# KiCad board OpenRectangle.kicad_pcb
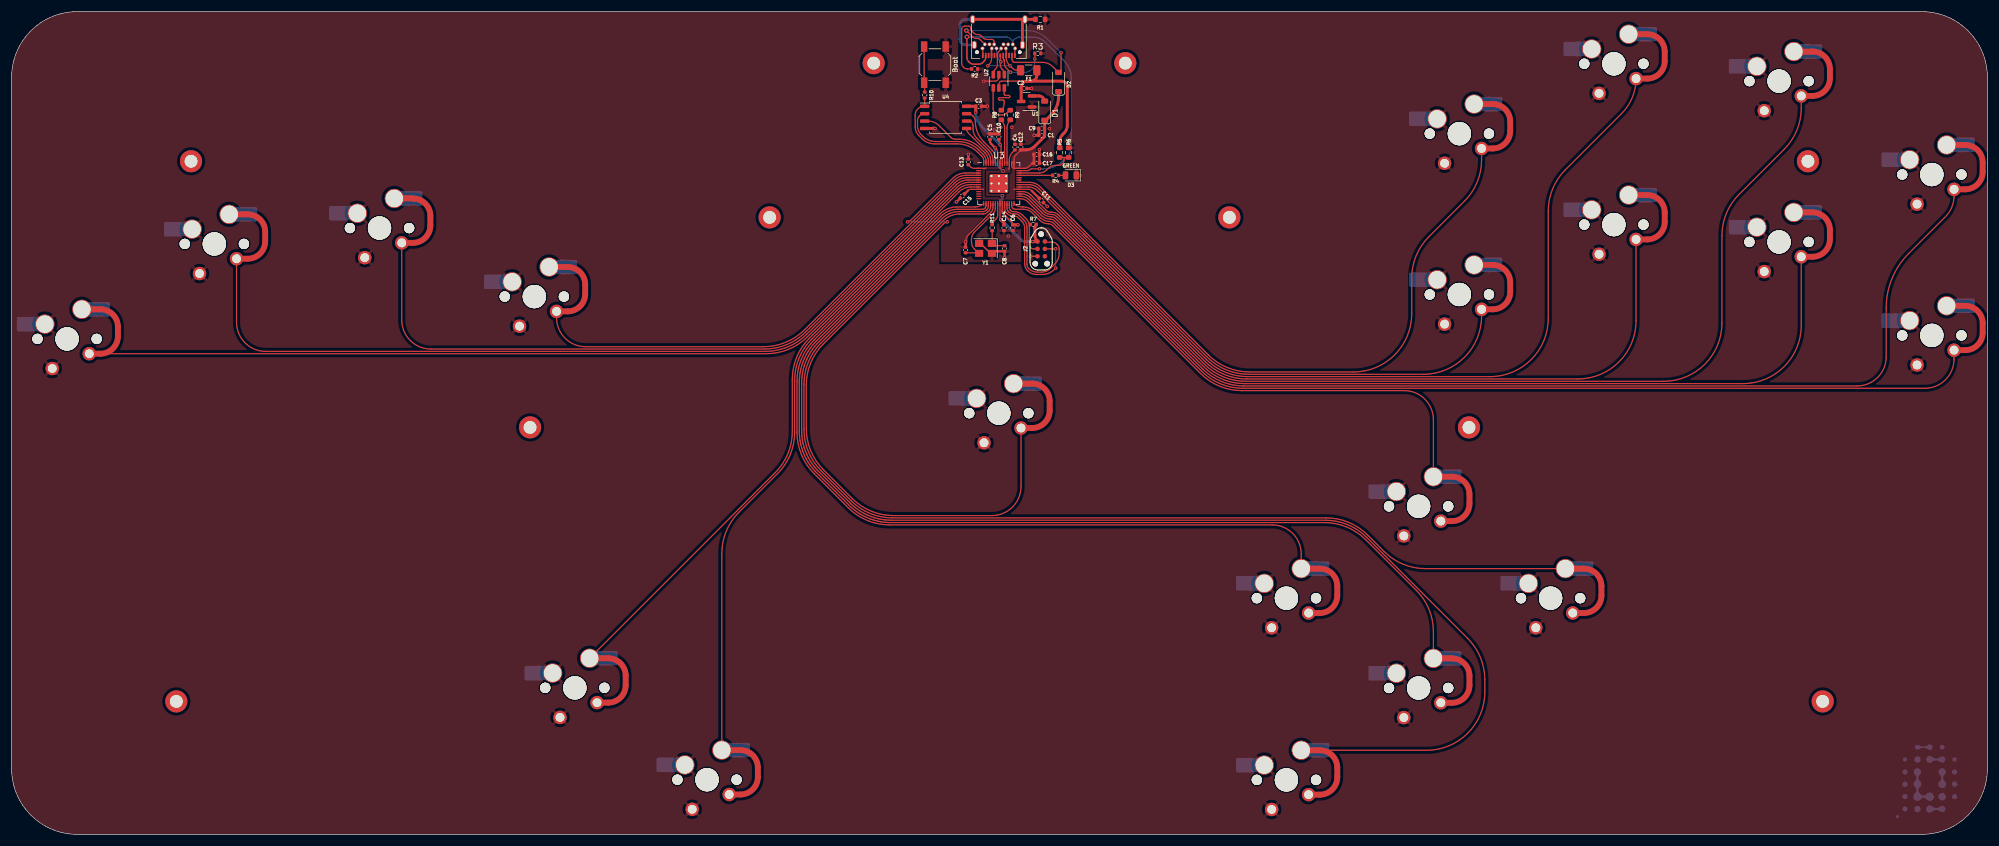
[diagram p0: board, top side]
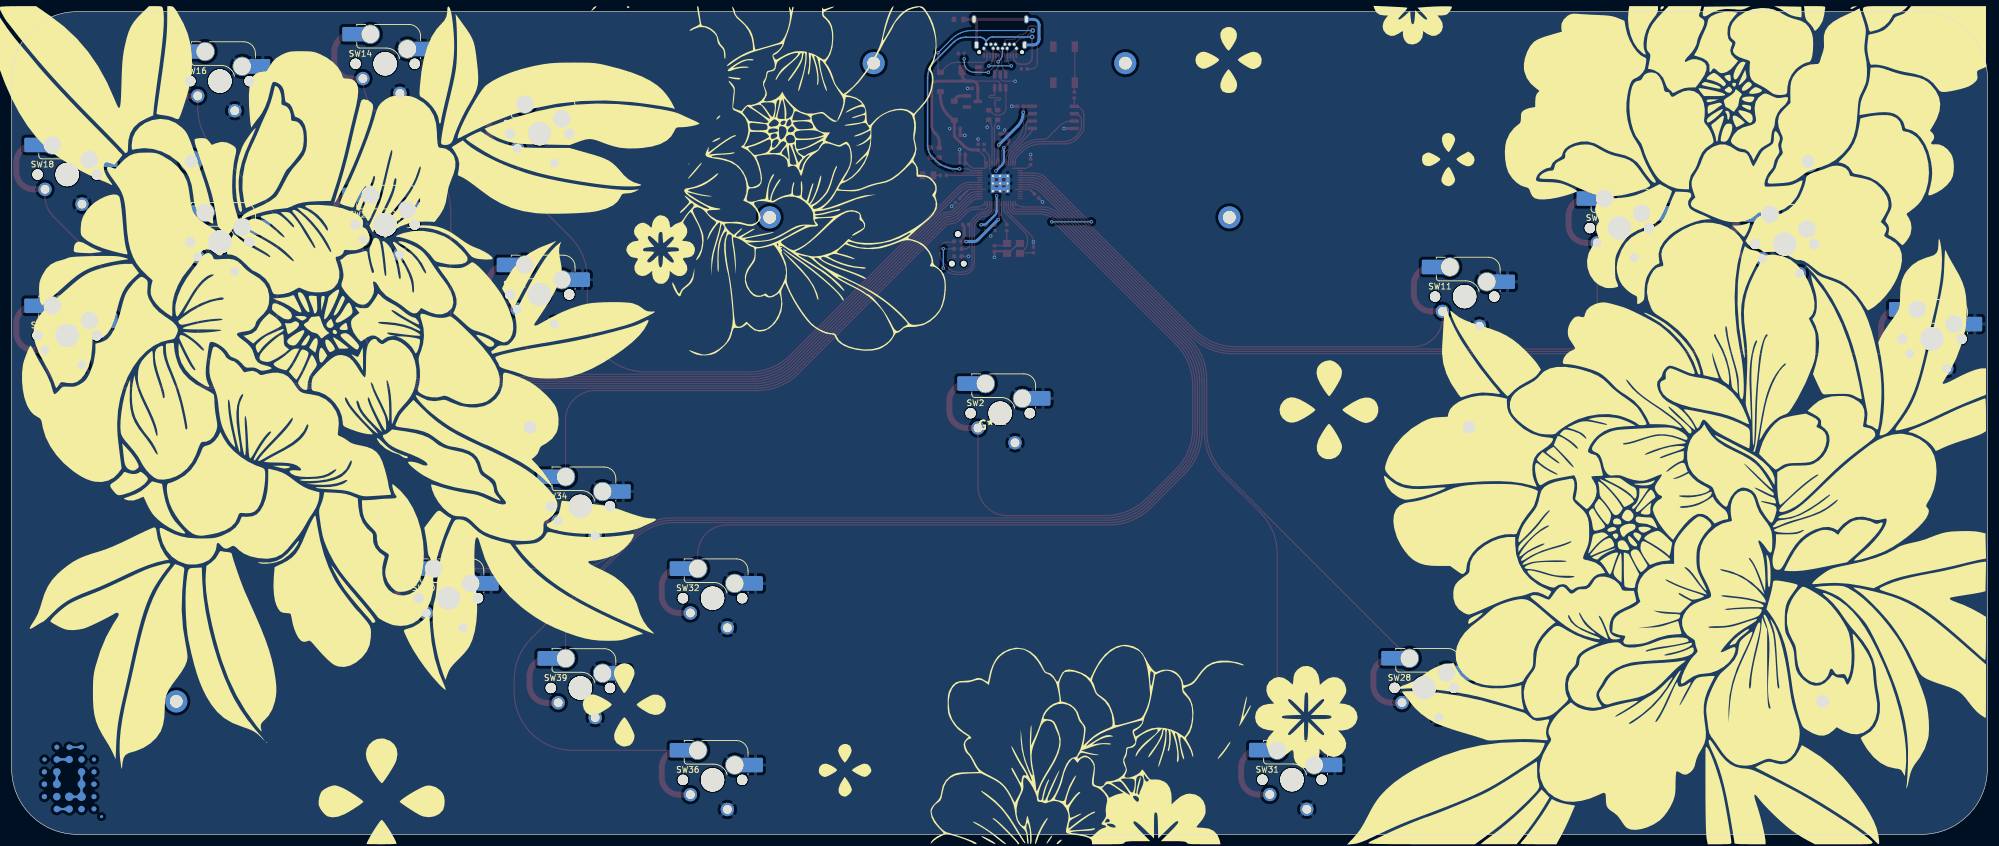
[diagram p1: board, bottom side, seen from below]

Outline 339.13 x 141.22 mm; copper layers: Top, Bottom. Coordinates in mm from the lower left corner of the outline.
Outline path: 0,129.97 0,11.25 arc(3.3,3.3) 11.25,0 327.88,0 arc(335.83,3.3) 339.13,11.25 339.13,129.97 arc(335.83,137.92) 327.88,141.22 11.25,141.22 arc(3.3,137.92) 0,129.97
Stack: Top 0.035mm / dielectric 1.51mm FR4 er 4.5 / Bottom 0.035mm

## Placement (name value [footprint] x y rotation side)
C1  1uF  [C_0402_1005Metric]  176.79 120 0 top
C2  1uF  [C_0402_1005Metric]  173.77 128.04 180 top
C3  100nF  [C_0402_1005Metric]  165.97 124.98 0 top
C4  1uF  [C_0402_1005Metric]  172.22 117.96 90 top
C5  100nF  [C_0402_1005Metric]  167.93 119.76 90 top
C6  100nF  [C_0402_1005Metric]  171.86 104.14 270 top
C7  22pF  [C_0402_1005Metric]  163.74 100.31 270 top
C8  22pF  [C_0402_1005Metric]  170.44 100.56 90 top
C9  10uF  [C_0402_1005Metric]  176.79 121.2 180 top
C10  1uF  [C_0402_1005Metric]  169.45 119.76 90 top
C11  100nF  [C_0402_1005Metric]  176.76 108.8 315 top
C12  100nF  [C_0402_1005Metric]  173.23 117.96 90 top
C13  100nF  [C_0402_1005Metric]  164.21 115.42 90 top
C14  100nF  [C_0402_1005Metric]  170.34 104.14 270 top
C15  100nF  [C_0402_1005Metric]  163.2 109.58 225 top
C16  100nF  [C_0402_1005Metric]  175.93 116.71 0 top
C17  100nF  [C_0402_1005Metric]  175.93 115.19 0 top
D1  Schottky Diode  [CUSTOM D_SOD-123]  177.32 124.21 90 top
D2  Schottky Diode  [CUSTOM D_SOD-123]  179.7 129.14 90 top
D3  GREEN  [LED_0805_2012Metric]  181.83 113.12 180 top
F1  500 mA  [Fuse_1206_3216Metric]  174.58 131.16 0 top
G***  -  [LOGO]  170.75 70.23 180 bottom
H1  Logo  [qw new logo mask md]  328.71 9.11 180 bottom
H2  MountingHole  [MountingHole_2.2mm_M2_ISO14580_Pad]  209.02 105.91 0 top
H3  MountingHole  [MountingHole_2.2mm_M2_ISO14580_Pad]  130.11 105.91 0 top
H4  MountingHole  [MountingHole_2.2mm_M2_ISO14580_Pad]  30.79 115.54 0 top
H5  MountingHole  [MountingHole_2.2mm_M2_ISO14580_Pad]  308.33 115.54 0 top
H6  MountingHole  [MountingHole_2.2mm_M2_ISO14580_Pad]  147.97 132.38 0 top
H7  MountingHole  [MountingHole_2.2mm_M2_ISO14580_Pad]  250.14 69.86 0 top
H8  MountingHole  [MountingHole_2.2mm_M2_ISO14580_Pad]  310.87 22.82 0 top
H9  MountingHole  [MountingHole_2.2mm_M2_ISO14580_Pad]  191.16 132.38 0 top
H10  MountingHole  [MountingHole_2.2mm_M2_ISO14580_Pad]  88.98 69.86 0 top
H11  MountingHole  [MountingHole_2.2mm_M2_ISO14580_Pad]  28.27 22.82 0 top
J1  USB C Connector  [TYPE-C_24P_QCHT]  169.45 138.62 180 top
J2  JTAG_TC2030  [CON_TC2030_outlined]  176.72 100.5 270 top
R1  1M  [R_0603_1608Metric]  176.56 139.9 180 top
R2  5.1k  [R_0402_1005Metric]  165.3 131.39 180 top
R3  5.1k  [R_0402_1005Metric]  176.13 134.05 0 top
R4  470  [R_0402_1005Metric]  179.2 113.11 0 top
R5  5.6k  [R_0603_1608Metric]  179.9 117.02 270 top
R6  10k  [R_0603_1608Metric]  181.44 117.02 90 top
R7  10k  [R_0402_1005Metric]  175.37 104.69 180 top
R8  27  [R_0603_1608Metric]  169.88 123.48 270 top
R9  27  [R_0603_1608Metric]  171.41 123.48 270 top
R10  1k  [R_0402_1005Metric]  156.72 126.9 270 top
R11  1k  [R_0402_1005Metric]  168.31 104.14 90 top
SW1  Boot  [SW_SPST_SKQG_WithStem]  158.48 132.12 270 top
SW2  MX_SW_HS  [SW_MX_HS_1u]  169.45 72.29 180 bottom
SW3  MX_SW_solder  [SW_MX_1u]  169.45 72.29 180 top
SW4  MX_SW_solder  [SW_MX_1u]  9.51 85.04 180 top
SW5  MX_SW_HS  [SW_MX_HS_1u]  9.51 85.04 180 bottom
SW6  MX_SW_HS  [SW_MX_HS_1u]  34.79 101.35 180 bottom
SW7  MX_SW_solder  [SW_MX_1u]  34.79 101.35 180 top
SW8  MX_SW_solder  [SW_MX_1u]  63.15 104.07 180 top
SW9  MX_SW_HS  [SW_MX_HS_1u]  63.15 104.07 180 bottom
SW10  MX_SW_solder  [SW_MX_1u]  89.72 92.31 180 top
SW11  MX_SW_HS  [SW_MX_HS_1u]  89.72 92.31 180 bottom
SW12  MX_SW_solder  [SW_MX_1u]  248.5 120.28 180 top
SW13  MX_SW_HS  [SW_MX_HS_1u]  248.5 120.28 180 bottom
SW14  MX_SW_HS  [SW_MX_HS_1u]  275.02 132.27 180 bottom
SW15  MX_SW_solder  [SW_MX_1u]  275.02 132.27 180 top
SW16  MX_SW_HS  [SW_MX_HS_1u]  303.38 129.3 180 bottom
SW17  MX_SW_solder  [SW_MX_1u]  303.38 129.3 180 top
SW18  MX_SW_HS  [SW_MX_HS_1u]  329.6 113.26 180 bottom
SW19  MX_SW_solder  [SW_MX_1u]  329.6 113.26 180 top
SW20  MX_SW_solder  [SW_MX_1u]  248.5 92.67 180 top
SW21  MX_SW_HS  [SW_MX_HS_1u]  248.5 92.67 180 bottom
SW22  MX_SW_HS  [SW_MX_HS_1u]  275.02 104.66 180 bottom
SW23  MX_SW_solder  [SW_MX_1u]  275.02 104.66 180 top
SW24  MX_SW_HS  [SW_MX_HS_1u]  303.38 101.69 180 bottom
SW25  MX_SW_solder  [SW_MX_1u]  303.38 101.69 180 top
SW26  MX_SW_HS  [SW_MX_HS_1u]  329.6 85.65 180 bottom
SW27  MX_SW_solder  [SW_MX_1u]  329.6 85.65 180 top
SW28  MX_SW_HS  [SW_MX_HS_1u]  96.67 25.15 180 bottom
SW29  MX_SW_solder  [SW_MX_1u]  96.67 25.15 180 top
SW30  MX_SW_solder  [SW_MX_1u]  119.36 9.38 180 top
SW31  MX_SW_HS  [SW_MX_HS_1u]  119.36 9.38 180 bottom
SW32  MX_SW_HS  [SW_MX_HS_1u]  218.82 40.54 180 bottom
SW33  MX_SW_solder  [SW_MX_1u]  218.82 40.54 180 top
SW34  MX_SW_HS  [SW_MX_HS_1u]  241.51 56.31 180 bottom
SW35  MX_SW_solder  [SW_MX_1u]  241.51 56.31 180 top
SW36  MX_SW_HS  [SW_MX_HS_1u]  218.82 9.35 180 bottom
SW37  MX_SW_solder  [SW_MX_1u]  218.82 9.35 180 top
SW38  MX_SW_solder  [SW_MX_1u]  241.51 25.12 180 top
SW39  MX_SW_HS  [SW_MX_HS_1u]  241.51 25.12 180 bottom
SW40  MX_SW_HS  [SW_MX_HS_1u]  264.16 40.54 180 bottom
SW41  MX_SW_solder  [SW_MX_1u]  264.16 40.54 180 top
U1  XC6206  [SOT-23]  174.22 125.8 180 top
U2  USBLC6-2SC6  [SOT-23-6]  169.45 129.27 270 top
U3  RP2040  [RP2040-QFN-56]  169.45 111.72 0 top
U4  W25Q128JVS  [SOIC-8_5.23x5.23mm_P1.27mm]  160.32 123.07 0 top
Y1  12MHz  [Crystal_SMD_3225-4Pin_3.2x2.5mm]  167.16 100.58 180 top

## Library data of the parts
C1 C2 C4 C10 = -: Description: Unpolarized capacitor, small symbol; LCSC: C52923
C3 C5 C6 C11-C17 = -: Description: Unpolarized capacitor, small symbol; LCSC: C1525
C7 C8 = -: Description: Unpolarized capacitor, small symbol; LCSC: C1555
C9 = -: Description: Unpolarized capacitor, small symbol; LCSC: C15525
D1 D2 = -: Description: Diode, small symbol; LCSC: C130880
D3 = -: Description: Light emitting diode, small symbol
F1 = -: Description: Fuse, small symbol
H1-H11 = -: Description: Mounting Hole without connection
J1 = -: Description: USB Full-Featured Type-C Receptacle connector; LCSC: C456013
J2 = -: Description: 6-pin TC2030 connector for JTAG programming
R1 R8 R9 = -: Description: Resistor, small symbol; LCSC: C25190
R2 R3 R7 = -: Description: Resistor, small symbol; LCSC: C25744
R4-R6 = -: Description: Resistor, small symbol
R10 R11 = -: Description: Resistor, small symbol; LCSC: C11702
SW1 = -: Description: Push button switch, generic, two pins; LCSC: C5156480
SW2-SW41 = -: Description: Push button switch, normally open, two pins, 45° tilted
U1 = -: Description: Positive 60-250mA Low Dropout Regulator, Fixed Output, SOT-23; LCSC: C5446
U2 = -: Description: Very low capacitance ESD protection diode, 2 data-line, SOT-23-6
U3 = -: LCSC: C2040
U4 = -: Description: 128Mb Serial Flash Memory, Standard/Dual/Quad SPI, SOIC-8; LCSC: C97521
Y1 = -: Description: Four pin crystal, GND on pins 2 and 4, small symbol; LCSC: C9002

## Footprints (pads in the part's own frame, mm; a bottom-side part is the same pattern mirrored in y, then rotated)
C_0402_1005Metric
  rrect 0.56x0.62 smd: 1(-0.48,0) 2(0.48,0)
CON_TC2030_outlined
  round 0.991 hole 0.991 unplated: (-2.54,0) (2.54,1.016) (2.54,-1.016)
  round 0.787 smd: 1(-1.27,-0.635) 2(-1.27,0.635) 3(0,-0.635) 4(0,0.635) 5(1.27,-0.635) 6(1.27,0.635)
Crystal_SMD_3225-4Pin_3.2x2.5mm
  rect 1.4x1.2 smd: 1(-1.1,-0.85) 2(1.1,-0.85) 3(1.1,0.85) 4(-1.1,0.85)
CUSTOM D_SOD-123
  rrect 0.9x1.2 smd: 1(-1.65,0) 2(1.65,0)
Fuse_1206_3216Metric
  rrect 1.25x1.75 smd: 1(-1.4,0) 2(1.4,0)
LED_0805_2012Metric
  rrect 0.975x1.4 smd: 1(-0.938,0) 2(0.938,0)
MountingHole_2.2mm_M2_ISO14580_Pad
  round 3.8 hole 2.2: 1(0,0)
R_0402_1005Metric
  rrect 0.54x0.64 smd: 1(-0.51,0) 2(0.51,0)
R_0603_1608Metric
  rrect 0.8x0.95 smd: 1(-0.825,0) 2(0.825,0)
RP2040-QFN-56
  rrect 1.084x1.084 smd: (-0.637,0.637) (-0.637,-0.637) (0.637,0.637) (0.637,-0.637)
  rrect 0.875x0.2 smd: 1(-3.438,2.6) 2(-3.438,2.2) 3(-3.438,1.8) 4(-3.438,1.4) 5(-3.438,1) 6(-3.438,0.6) 7(-3.438,0.2) 8(-3.438,-0.2) 9(-3.438,-0.6) 10(-3.438,-1) 11(-3.438,-1.4) 12(-3.438,-1.8) 13(-3.438,-2.2) 14(-3.438,-2.6) 29(3.438,-2.6) 30(3.438,-2.2) 31(3.438,-1.8) 32(3.438,-1.4) 33(3.438,-1) 34(3.438,-0.6) 35(3.438,-0.2) 36(3.438,0.2) 37(3.438,0.6) 38(3.438,1) 39(3.438,1.4) 40(3.438,1.8) 41(3.438,2.2) 42(3.438,2.6)
  rrect 0.2x0.875 smd: 15(-2.6,-3.438) 16(-2.2,-3.438) 17(-1.8,-3.438) 18(-1.4,-3.438) 19(-1,-3.438) 20(-0.6,-3.438) 21(-0.2,-3.438) 22(0.2,-3.438) 23(0.6,-3.438) 24(1,-3.438) 25(1.4,-3.438) 26(1.8,-3.438) 27(2.2,-3.438) 28(2.6,-3.438) 43(2.6,3.438) 44(2.2,3.438) 45(1.8,3.438) 46(1.4,3.438) 47(1,3.438) 48(0.6,3.438) 49(0.2,3.438) 50(-0.2,3.438) 51(-0.6,3.438) 52(-1,3.438) 53(-1.4,3.438) 54(-1.8,3.438) 55(-2.2,3.438) 56(-2.6,3.438)
  round 0.6 hole 0.35: 57(-1.275,1.275) 57(-1.275,0) 57(-1.275,-1.275) 57(0,1.275) 57(0,0) 57(0,-1.275) 57(1.275,1.275) 57(1.275,0) 57(1.275,-1.275)
  rrect 3.2x3.2 smd: 57(0,0)
SOIC-8_5.23x5.23mm_P1.27mm
  rrect 1.6x0.6 smd: 1(-3.6,1.905) 2(-3.6,0.635) 3(-3.6,-0.635) 4(-3.6,-1.905) 5(3.6,-1.905) 6(3.6,-0.635) 7(3.6,0.635) 8(3.6,1.905)
SOT-23
  rrect 1.475x0.6 smd: 1(-0.938,0.95) 2(-0.938,-0.95) 3(0.938,0)
SOT-23-6
  rrect 1.325x0.6 smd: 1(-1.137,0.95) 2(-1.137,0) 3(-1.137,-0.95) 4(1.137,-0.95) 5(1.137,0) 6(1.137,0.95)
SW_MX_1u
  round 1.75 hole 1.75 unplated: (-5.08,0) (5.08,0)
  round 3.988 hole 3.988 unplated: (0,0)
  round 2.3 hole 1.524: 1(-3.81,2.54) 2(2.54,5.08)
SW_MX_HS_1u
  round 1.75 hole 1.75 unplated: (-5.08,0) (5.08,0)
  round 3.988 hole 3.988 unplated: (0,0)
  round 3.3 hole 3: 1(3.81,2.54) 2(-2.54,5.08)
  rect 1.65x2.5 smd: 1(5.635,2.54) 2(-4.34,5.08)
  rrect 2.55x2.5 smd: 1(7.36,2.54) 2(-6.09,5.08)
SW_SPST_SKQG_WithStem
  rect 1.8x1.1 smd: 1(-3.1,1.85) 1(3.1,1.85) 2(-3.1,-1.85) 2(3.1,-1.85)
TYPE-C_24P_QCHT
  round 0.65 hole 0.65 unplated: (-3.6,4.36) (3.75,4.36)
  rect 0.3x0.9 smd: A1(-2.75,4.92) A2(-2.25,4.92) A3(-1.75,4.92) A4(-1.25,4.92) A5(-0.75,4.92) A8(0.75,4.92) A9(1.25,4.92) A10(1.75,4.92) A11(2.25,4.92) A12(2.75,4.92)
  rect 0.3x0.7 smd: A6(-0.25,4.92) A7(0.25,4.92)
  round 0.65 hole 0.4: B1(2.8,3.71) B2(2.4,3.01) B3(1.6,3.01) B4(1.2,3.71) B5(0.8,3.01) B6(0.4,3.71) B7(-0.4,3.71) B8(-0.8,3.01) B9(-1.2,3.71) B10(-1.6,3.01) B11(-2.4,3.01) B12(-2.8,3.71)
  oval 0.8x1.4 hole 0.5x1.1: S1(-4.49,-1.28) S1(-4.055,3.11) S1(4.205,3.11) S1(4.49,-1.28)

## Nets
3vCable: D2.2 J1.A2 J1.B2
+1V1: C4.1 C5.1 C6.1 U3.23 U3.45 U3.50
+3V3: C1.2 C3.1 C9.1 C10.1 C11.1 C12.1 C13.1 C14.1 C15.1 C16.1 C17.1 D1.1 D2.1 J2.1 R7.1 U3.1 U3.10 U3.22 U3.33 U3.42 U3.43 U3.44 U3.48 U3.49 U4.8
+5V: C2.2 F1.2 R5.1 U1.3 U2.5
GND: C1.1 C2.1 C3.2 C4.2 C5.2 C6.2 C7.1 C8.1 C9.2 C10.2 C11.2 C12.2 C13.2 C14.2 C15.2 C16.2 C17.2 D3.1 J1.A1 J1.A12 J1.B1 J1.B12 J2.5 R1.1 R2.1 R3.2 R6.2 SW1.1 SW2.1 SW3.2 SW4.2 SW5.1 SW6.1 SW7.2 SW8.2 SW9.1 SW10.2 SW11.1 SW12.2 SW13.1 SW14.1 SW15.2 SW16.1 SW17.2 SW18.1 SW19.2 SW20.2 SW21.1 SW22.1 SW23.2 SW24.1 SW25.2 SW26.1 SW27.2 SW28.1 SW29.2 SW30.2 SW31.1 SW32.1 SW33.2 SW34.1 SW35.2 SW36.1 SW37.2 SW38.2 SW39.1 SW40.1 SW41.2 U1.1 U2.2 U3.19 U3.57 U4.4 Y1.2 Y1.4
VBUS_SENSE: R5.2 R6.1 U3.40
/D_+: R8.2 U3.47
/D_-: R9.2 U3.46
/XTAL_O: C8.2 R11.1 Y1.1
/~{USB_BOOT}: R10.1 SW1.2
A: SW38.1 SW39.2 U3.16
B: SW20.1 SW21.2 U3.35
C_DN: SW36.2 SW37.1 U3.17
C_LT: SW32.2 SW33.1 U3.15
C_RT: SW40.2 SW41.1 U3.18
C_UP: SW34.2 SW35.1 U3.27
CS: R10.2 U3.56 U4.1
D+: R8.1 U2.6
D-: R9.1 U2.4
DATA: J1.A11 J1.B11 U3.41
DBUS+: J1.A6 J1.B6 U2.1
DBUS-: J1.A7 J1.B7 U2.3
DOWN: SW8.1 SW9.2 U3.5
L: SW4.1 SW5.2 U3.7
LEFT: SW6.2 SW7.1 U3.6
LS: SW16.2 SW17.1 U3.31
M1: SW28.2 SW29.1 U3.8
M2: SW30.1 SW31.2 U3.9
MS: SW18.2 SW19.1 U3.29
PICO_LED: R4.1 U3.39
QSPI_CLK: U3.52 U4.6
R: SW12.1 SW13.2 U3.36
RIGHT: SW10.1 SW11.2 U3.4
SD0: U3.53 U4.5
SD1: U3.55 U4.2
SD2: U3.54 U4.3
SD3: U3.51 U4.7
START: SW2.2 SW3.1 U3.3
SWCLK: J2.4 U3.24
SWD: J2.2 U3.25
UP: SW26.2 SW27.1 U3.28
X: SW22.2 SW23.1 U3.32
XTAL_IN: C7.2 U3.20 Y1.3
XTAL_OUT: R11.2 U3.21
Y: SW14.2 SW15.1 U3.34
Z: SW24.2 SW25.1 U3.30
~{RESET}: J2.3 R7.2 U3.26
Net-(D1-A): D1.2 U1.2
Net-(D3-A): D3.2 R4.2
Net-(F1-Pad1): F1.1 J1.A4 J1.A9 J1.B4 J1.B9
Net-(J1-CC1): J1.A5 R3.1
Net-(J1-CC2): J1.B5 R2.2
Net-(J1-SHIELD): J1.S1 R1.2

Pads without a net: H2 1; H3 1; H4 1; H5 1; H6 1; H7 1; H8 1; H9 1; H10 1; H11 1; J1 A3 A8 A10 B3 B8 B10; J2 6; U3 2 11 12 13 14 37 38

## Via types
v1: diameter 0.6, hole 0.3, Top to Bottom, 35 vias
v2: diameter 0.8, hole 0.4, Top to Bottom, 2 vias
v3: diameter 0.6, hole 0.35, Top to Bottom, 2 vias

## Routing (per net, layer and track width the routed paths; a pad name or vN(x,y) marks a point on that pad's centre or on a via; arc(x,y) is an arc through that point)
3vCable: length 34.8
  Top w0.2: J1.A2 171.7,133.08 arc(171.75,132.84) 171.88,132.64 arc(172.01,132.55) 172.17,132.52 176.95,132.52 arc(177.89,132.33) 178.69,131.8 D2.2 180.13,131.22 180.13,134.15 v1(180.13,134.15) ; J1.B2 166.27,136.39 arc(166.01,136.56) 165.71,136.62 165.56,136.62 arc(165.26,136.68) 165,136.85 v2(163.87,137.98)
  Bottom w0.2: v2(163.87,137.98) 174.31,137.98 arc(176.15,137.61) 177.71,136.57 v1(180.13,134.15)
+1V1: length 24.2
  Top w0.2: v1(168.81,117.85) 168.96,117.71 arc(169.17,117.39) 169.25,117 U3.50 ; C4.1 171.76,117.03 arc(171.38,116.46) 171.25,115.79 U3.45 171.25,114.32 171.1,114.17 ; U3.23 170.05,106.97 arc(170.1,106.74) 170.23,106.55 171.69,105.09 arc(171.82,104.89) 171.86,104.66 C6.1
  Top w0.381: v1(168.81,117.85) 168.1,118.57 arc(167.97,118.76) 167.93,118.98
  Top w0.5: v1(172.72,104.63) 172.71,104.62 C6.1
  Bottom w0.381: v3(170.06,109.63) 170.06,106.99 arc(170.13,106.61) 170.35,106.29 171.71,104.92 arc(172.04,104.71) 172.42,104.63 v1(172.72,104.63) ; v1(168.81,117.85) 168.81,115.65 arc(168.89,115.26) 169.11,114.94 v3(170.18,113.86)
+3V3: length 67.7
  Top w0.2: 175.15,115.19 174.58,114.62 arc(174.26,114.4) 173.88,114.33 U3.42 172.02,114.33 171.99,114.3 171.65,114.64 U3.44 172.05,115.56 ; 169.83,116.07 169.93,115.97 arc(170.02,115.84) 170.05,115.69 U3.48 170.05,114.57 ; 169.83,116.07 169.83,116.08 169.83,118.19 v1(169.68,118.34) 169.68,118.76 169.45,118.98 ; 169.83,116.07 169.77,116.01 arc(169.68,115.88) 169.65,115.73 U3.49 169.65,114.31 169.68,114.28 ; C13.1 164.54,114.62 arc(164.87,114.4) 165.25,114.33 U3.1 167.18,114.33 167.26,114.41 ; v1(169.8,105.52) 169.65,105.67 U3.22 169.65,109.02 ; 166.78,110.74 166.77,110.72 U3.10 164.65,110.72 arc(164.39,110.67) 164.17,110.53 ; 172.02,110.72 U3.33 174.48,110.72 arc(174.81,110.66) 175.09,110.47 ; C12.1 172.34,116.6 arc(172.13,116.27) 172.05,115.89 U3.43 172.05,114.36 172.12,114.3
  Top w0.381: 164.17,110.53 163.58,109.93 ; 175.15,115.19 C17.1 C16.1 ; 175.09,110.47 C11.1
  Top w0.5: v1(175.28,101.75) 176.06,101.75 ; D2.1 179.7,126.59 arc(179.41,125.01) 178.56,123.64 177.49,122.56 D1.1 177.32,120.05 C1.2 177.27,119.76 175.65,118.14 arc(174.92,117.66) 174.06,117.48 C12.1 ; 163.94,124.98 C3.1 v1(165.49,123.95) ; v1(169.8,105.52) 170.34,104.98 C14.1 ; J2.1 arc(175.75,102.27) 175.63,102.87 175.63,104.09 arc(175.69,104.41) R7.1
  Bottom w0.5: v1(175.28,101.75) 173.98,101.75 arc(173.6,101.83) 173.28,102.04 v1(169.8,105.52) ; v1(169.68,118.34) 166.49,121.53 arc(165.75,122.64) v1(165.49,123.95)
+5V: length 30.5
  Top w0.2: 174.28,129.29 174.28,129.3 169.94,129.3 arc(169.78,129.27) 169.65,129.18 arc(169.5,128.96) 169.45,128.69 169.45,128.6
  Top w0.5: 174.61,129.29 174.98,129.29 arc(175.69,129.58) 175.98,130.29 F1.2 ; 174.61,129.29 180.2,129.29 arc(180.91,129) 181.2,128.29 181.2,121.68 arc(181.06,120.99) 180.67,120.4 180.43,120.16 arc(180.04,119.57) 179.9,118.88 R5.1 ; 174.61,129.29 174.28,129.29 arc(173.58,129) 173.28,128.29 U1.3
GND: length 50.3
  Top w0.2: U3.19 168.45,107.57 arc(168.37,107.16) 168.14,106.82 164.24,102.92 arc(163.87,102.36) v1(163.74,101.71) ; J1.B12 172.2,134.86 J1.A1 ; J1.A12 166.7,134.86 J1.B1 ; U2.2 169.45,129.92 arc(169.27,129.48) 168.83,129.3 166.9,129.3 v1(166.87,129.27) ; v1(177.77,107.79) C11.2 ; C12.2 v1(173.23,119.36)
  Top w0.25: J2.5 v1(174.88,99.23)
  Top w0.254: 168.02,99.73 166.32,101.43
  Top w0.381: v1(163.74,101.71) C7.1 ; v1(170.44,99.04) C8.1 168.62,100.08 ; C15.2 v1(162.18,108.57) ; C17.2 C16.2 v1(176.41,117.55) ; C13.2 v1(164.21,116.69)
  Top w0.5: C9.2 C1.1 175.53,120 v1(175.52,119.99) ; C5.2 C10.2 ; 156.76,121.17 158.48,121.17 ; C2.1 175.03,128.04 v1(175.04,128.05) ; C3.2 167.46,124.98
  Bottom w0.635: U3.57 U3.57 ; U3.57 U3.57 ; U3.57 U3.57 U3.57 U3.57 168.47,110.75 170.43,110.75 U3.57
  vias: v1(158.5,121.16) v1(167.47,124.99) v1(168.66,120.88) v1(169.77,121.38) v1(171.07,102.72) v1(171.68,121.38) v1(178.13,121.15)
VBUS_SENSE: length 10.6
  Top w0.2: 180.66,116.19 180.66,115.83 arc(180.37,115.12) 179.66,114.83 179.2,114.83 arc(178.51,114.69) 177.92,114.3 177.67,114.05 arc(177.09,113.66) 176.4,113.53 U3.40 ; 180.66,116.19 R6.1 ; 180.66,116.19 R5.2
/D_+: length 7.7
  Top w0.2: U3.47 170.45,121.22 arc(170.31,121.91) 169.92,122.5 169.9,122.52 169.9,122.71
/D_-: length 7.8
  Top w0.2: 171.55,122.71 171.38,122.54 arc(170.99,121.96) 170.85,121.27 U3.46
/XTAL_O: length 3.9
  Top w0.2: C8.2 168.65,101.04 ; 168.31,101.47 R11.1
/~{USB_BOOT}: length 7.8
  Top w0.2: R10.1 156.72,128.93 SW1.2 SW1.2
A: length 202.3
  Top w0.2: 167.07,107.48 167.12,107.53 arc(167.22,107.68) 167.25,107.85 U3.16 ; SW39.2 244.05,34.81 arc(243.28,38.64) 241.12,41.88 232.41,50.59 arc(229.16,52.76) 225.34,53.52 150.86,53.52 150.53,53.52 149.88,53.57 149.23,53.65 148.59,53.78 147.95,53.95 147.33,54.16 146.73,54.41 146.14,54.7 145.58,55.03 145.03,55.39 144.51,55.79 144.02,56.22 143.79,56.45 138.13,62.11 137.9,62.34 137.47,62.83 137.07,63.35 136.71,63.89 136.38,64.46 136.09,65.05 135.84,65.65 135.63,66.27 135.46,66.91 135.33,67.55 135.25,68.2 135.2,68.85 135.2,69.18 135.2,77.61 135.2,77.94 135.25,78.59 135.33,79.24 135.46,79.88 135.63,80.51 135.84,81.13 136.09,81.74 136.38,82.32 136.71,82.89 137.07,83.44 137.47,83.96 137.9,84.45 138.13,84.68 159.57,106.12 arc(160.87,106.99) 162.4,107.3 166.67,107.3 arc(166.87,107.33) 167.03,107.44
  Top w1: SW38.1 247.23,22.58 arc(249.35,23.46) 250.23,25.58 250.23,27.2 arc(249.35,29.32) 247.23,30.2 SW39.2
B: length 116.3
  Top w0.2: 184.56,102.58 205.24,81.9 arc(208.49,79.73) 212.31,78.97 242.31,78.97 arc(249.39,81.9) 252.31,88.97 SW20.1 ; 184.56,102.58 176.29,110.86 arc(175.54,111.35) 174.67,111.53 U3.35 ; 184.56,102.58 184.04,103.1 184.19,102.96
  Top w1: SW21.2 254.23,97.75 arc(256.35,96.87) 257.23,94.75 257.23,93.13 arc(256.35,91) 254.23,90.13 SW20.1
C_DN: length 248.8
  Top w0.2: SW36.2 242.87,14.43 arc(249.94,17.36) 252.87,24.43 252.87,26.55 arc(252.11,30.38) 249.94,33.62 232.57,50.99 arc(229.33,53.16) 225.5,53.92 151.02,53.92 150.7,53.92 150.04,53.97 149.39,54.05 148.75,54.18 148.12,54.35 147.5,54.56 146.9,54.81 146.31,55.1 145.74,55.43 145.2,55.79 144.68,56.19 144.19,56.62 143.95,56.85 138.53,62.27 138.3,62.5 137.87,63 137.47,63.52 137.11,64.06 136.78,64.63 136.49,65.21 136.24,65.82 136.03,66.44 135.86,67.07 135.73,67.71 135.65,68.36 135.6,69.01 135.6,69.34 135.6,77.44 135.6,77.77 135.65,78.42 135.73,79.07 135.86,79.72 136.03,80.35 136.24,80.97 136.49,81.57 136.78,82.16 137.11,82.73 137.47,83.27 137.87,83.79 138.3,84.28 138.53,84.51 159.74,105.72 arc(161.04,106.59) 162.57,106.9 166.72,106.9 arc(167.02,106.96) 167.28,107.13 167.43,107.28 arc(167.59,107.52) 167.65,107.8 U3.17
  Top w1: SW36.2 224.55,14.43 arc(226.67,13.55) 227.55,11.43 227.55,9.81 arc(226.67,7.69) 224.55,6.81 SW37.1
C_LT: length 171.4
  Top w0.2: SW32.2 221.36,48.12 arc(219.89,51.66) 216.36,53.12 150.69,53.12 arc(146.87,53.88) 143.62,56.05 137.73,61.94 arc(135.56,65.18) 134.8,69.01 134.8,77.78 arc(135.56,81.6) 137.73,84.85 159.41,106.52 arc(160.71,107.39) 162.24,107.7 165.42,107.7 arc(166.19,107.85) U3.15
  Top w1: SW32.2 224.55,45.62 arc(226.67,44.74) 227.55,42.62 227.55,41 arc(226.67,38.88) 224.55,38 SW33.1
C_RT: length 212.4
  Top w0.2: SW40.2 242.66,45.62 arc(238.83,46.38) 235.58,48.55 232.74,51.39 arc(229.49,53.56) 225.67,54.32 151.19,54.32 arc(147.36,55.08) 144.12,57.25 138.93,62.44 arc(136.76,65.68) 136,69.51 136,77.28 arc(136.76,81.1) 138.93,84.35 159.91,105.33 arc(161.2,106.19) 162.73,106.5 166.8,106.5 arc(167.18,106.57) 167.51,106.79 167.78,107.06 arc(167.98,107.36) 168.05,107.72 U3.18
  Top w1: SW41.1 269.89,38 arc(272.01,38.88) 272.89,41 272.89,42.62 arc(272.01,44.74) 269.89,45.62 SW40.2
C_UP: length 114.2
  Top w0.2: U3.27 171.65,107.9 arc(171.7,107.67) 171.83,107.47 171.83,107.47 arc(172.02,107.34) 172.25,107.3 173.73,107.3 arc(174.51,107.14) 175.17,106.7 176.43,105.44 arc(177.13,104.97) 177.96,104.81 arc(178.34,104.73) 178.67,104.51 204.08,79.1 arc(207.33,76.93) 211.15,76.17 239.05,76.17 arc(242.58,74.71) 244.05,71.17 SW34.2
  Top w1: SW34.2 247.23,61.39 arc(249.35,60.51) 250.23,58.39 250.23,56.77 arc(249.35,54.65) 247.23,53.77 SW35.1
CS: length 20.8
  Top w0.2: U3.56 166.85,115.65 arc(166.77,116.03) 166.56,116.35 165.85,117.06 arc(164.23,118.14) 162.31,118.52 158.95,118.52 ; 158.94,118.52 158.39,118.52 arc(157.24,118.75) 156.27,119.4 155.7,119.97 arc(155.25,120.65) 155.09,121.45 155.09,123.45 arc(155.54,124.53) 156.62,124.97 U4.1 R10.2
D+: length 7.4
  Top w0.2: 170.37,128.1 170.37,127.05 arc(170.43,126.91) 170.57,126.85 171.16,126.85 arc(171.3,126.79) 171.36,126.65 arc(171.3,126.51) 171.16,126.45 169.58,126.45 arc(169.44,126.39) 169.38,126.25 arc(169.44,126.11) 169.58,126.05 170.17,126.05 arc(170.31,125.99) 170.37,125.85 170.37,125.49 arc(170.24,124.85) R8.1
D-: length 7.4
  Top w0.2: U2.4 168.47,128.1 168.47,124.59 arc(168.55,124.21) 168.76,123.89 168.87,123.78 arc(169.19,123.57) 169.57,123.49 170.06,123.49 arc(170.44,123.57) 170.76,123.78 171.28,124.31 R9.1
DATA: length 53.6
  Top w0.2: v1(176.43,114.24) 175.06,114.24 arc(174.89,114.21) 174.75,114.11 174.69,114.05 arc(174.55,113.96) 174.38,113.93 U3.41
  Top w0.25: v2(163.97,136.88) 163.97,133.35 arc(164.05,132.97) 164.26,132.65 164.42,132.49 arc(164.74,132.28) 165.12,132.2 166,132.2 arc(166.38,132.28) 166.7,132.49 166.91,132.7 arc(167.12,133.02) 167.2,133.4 J1.A11
  Bottom w0.25: 171.85,136.2 171.46,136.59 arc(171.14,136.8) 170.75,136.88 v2(163.97,136.88) ; 171.85,136.2 172.19,136.54 arc(172.51,136.75) 172.89,136.83 175.33,136.83 arc(176.48,136.6) 177.45,135.95 180.71,132.69 arc(181.6,131.36) 181.91,129.79 181.91,118.29 arc(181.68,117.14) 181.03,116.17 180.53,115.67 arc(178.95,114.61) 177.08,114.24 v1(176.43,114.24) ; 171.85,136.2 J1.B11
DBUS+: length 6
  Top w0.2: J1.A6 169.7,132.08 arc(169.77,131.69) 169.99,131.37 170.11,131.25 arc(170.32,130.93) 170.4,130.55 U2.1
  Bottom w0.2: J1.B6 169.05,134.05 arc(169.18,133.41) 169.54,132.87 v1(169.8,132.61)
DBUS-: length 4.9
  Top w0.2: U2.3 168.5,130.58 arc(168.58,130.96) 168.79,131.28 168.91,131.4 arc(169.12,131.72) 169.2,132.1 J1.A7 169.2,133.87 arc(169.25,134.13) 169.4,134.35 169.85,134.8 J1.B7
DOWN: length 142.9
  Top w0.2: U3.5 164.02,112.72 arc(162.88,112.5) 161.9,111.85 136.29,86.23 arc(133.04,84.07) 129.22,83.3 71.96,83.3 arc(68.42,84.77) 66.96,88.3 SW8.1
  Top w1: SW9.2 68.88,109.15 arc(71,108.27) 71.88,106.15 71.88,104.53 arc(71,102.41) 68.88,101.53 SW8.1
L: length 180.5
  Top w0.2: U3.7 164.35,111.93 arc(163.21,111.7) 162.23,111.05 136.62,85.43 arc(133.38,83.27) 129.55,82.5 SW4.1
  Top w1: SW4.1 15.24,82.5 arc(17.36,83.38) 18.24,85.5 18.24,87.12 arc(17.36,89.25) 15.24,90.12 SW5.2
LEFT: length 168.9
  Top w0.2: U3.6 164.19,112.33 arc(163.04,112.1) 162.07,111.45 136.45,85.83 arc(133.21,83.67) 129.38,82.9 43.6,82.9 arc(40.07,84.37) 38.6,87.9 SW7.1
  Top w1: SW6.2 40.52,106.43 arc(42.64,105.55) 43.52,103.43 43.52,101.81 arc(42.64,99.69) 40.52,98.81 SW7.1
LS: length 199
  Top w0.2: U3.31 173.38,109.93 arc(174.14,109.77) 174.79,109.34 177.23,106.9 arc(177.78,106.54) 178.42,106.41 178.53,106.41 arc(179,106.31) 179.4,106.05 204.75,80.7 arc(207.99,78.53) 211.82,77.77 283.57,77.77 arc(290.64,80.7) 293.57,87.77 293.57,102.77 arc(294.33,106.59) 296.5,109.84 304.26,117.6 arc(306.43,120.84) 307.19,124.67 SW17.1
  Top w1: SW16.2 309.11,134.38 arc(311.23,133.5) 312.11,131.38 312.11,129.76 arc(311.23,127.63) 309.11,126.76 SW17.1
M1: length 125.7
  Top w0.2: SW28.2 131.07,62.09 arc(133.24,65.34) 134,69.16 134,78.11 arc(134.76,81.93) 136.93,85.18 162.4,110.65 arc(163.37,111.3) 164.52,111.53 U3.8
  Top w1: SW29.1 102.4,22.61 arc(104.52,23.49) 105.4,25.61 105.4,27.23 arc(104.52,29.35) 102.4,30.23 SW28.2
M2: length 131.2
  Top w0.2: SW31.2 121.9,48.21 arc(122.66,52.04) 124.83,55.28 131.47,61.93 arc(133.64,65.17) 134.4,69 134.4,77.94 arc(135.16,81.77) 137.33,85.01 162.56,110.25 arc(163.54,110.9) 164.69,111.12 U3.9
  Top w1: SW31.2 125.09,14.46 arc(127.21,13.58) 128.09,11.46 128.09,9.84 arc(127.21,7.72) 125.09,6.84 SW30.1
MS: length 213.3
  Top w0.2: U3.29 173.09,109.12 arc(173.82,108.98) 174.43,108.57 176.76,106.24 arc(177.46,105.77) 178.29,105.61 arc(178.67,105.53) 179,105.31 204.41,79.9 arc(207.66,77.73) 211.49,76.97 316.77,76.97 arc(320.31,78.43) 321.77,81.97 321.77,90.37 arc(322.78,95.44) 325.65,99.74 331.95,106.04 arc(333.03,107.66) 333.41,109.57 SW19.1
  Top w1: SW18.2 335.33,118.34 arc(337.45,117.46) 338.33,115.34 338.33,113.72 arc(337.45,111.6) 335.33,110.72 SW19.1
PICO_LED: length 5.8
  Top w0.2: R4.1 178.68,113.12 U3.39
QSPI_CLK: length 9.3
  Top w0.2: U3.52 168.45,115.73 arc(168.27,116.64) 167.75,117.42 165.68,119.49 arc(165.19,120.22) 165.02,121.08 165.02,121.6 arc(164.93,122.05) 164.68,122.44 U4.6
R: length 134.7
  Top w0.2: SW12.1 252.31,115.77 arc(251.55,111.94) 249.39,108.7 243.25,102.56 arc(241.08,99.31) 240.32,95.49 240.32,89.37 arc(237.39,82.3) 230.32,79.37 212.48,79.37 arc(208.65,80.13) 205.41,82.3 176.52,111.19 arc(175.7,111.73) 174.74,111.93 U3.36
  Top w1: SW12.1 254.23,117.74 arc(256.35,118.61) 257.23,120.74 257.23,122.36 arc(256.35,124.48) 254.23,125.36 SW13.2
RIGHT: length 104.2
  Top w0.2: SW10.1 93.53,88.7 arc(94.99,85.17) 98.53,83.7 129.05,83.7 arc(132.88,84.47) 136.12,86.63 161.74,112.25 arc(162.71,112.9) 163.86,113.12 U3.4
  Top w1: SW10.1 95.45,89.77 arc(97.57,90.65) 98.45,92.77 98.45,94.39 arc(97.57,96.51) 95.45,97.39 SW11.2
SD0: length 7.6
  Top w0.2: U3.53 168.05,115.64 arc(167.88,116.49) 167.4,117.2 164.97,119.63 164.26,120.34 arc(164.01,120.72) U4.5
SD1: length 17.9
  Top w0.2: U3.55 167.25,115.6 arc(167.14,116.18) 166.81,116.67 166.01,117.46 arc(164.39,118.54) 162.48,118.92 158.56,118.92 arc(157.41,119.15) 156.44,119.8 156.09,120.15 arc(155.65,120.81) 155.49,121.6 155.49,122.58 arc(155.57,122.96) 155.78,123.28 155.91,123.41 arc(156.24,123.63) 156.62,123.71 U4.2
SD2: length 14.2
  Top w0.2: U4.3 157.36,122.44 arc(158.33,122.24) 159.16,121.69 161.23,119.62 arc(161.56,119.4) 161.94,119.32 162.64,119.32 arc(164.56,118.94) 166.18,117.86 167.1,116.94 arc(167.51,116.33) 167.65,115.61 U3.54
SD3: length 10.6
  Top w0.2: U4.7 164.12,123.71 arc(164.58,123.61) 164.97,123.35 165.06,123.26 arc(165.33,122.86) 165.42,122.39 arc(165.8,120.47) 166.88,118.85 168.25,117.48 arc(168.69,116.82) 168.85,116.04 U3.51
START: length 141.2
  Top w0.2: v1(160.6,105.14) 160.54,105.08 arc(160.25,105.02) 160,104.86 139.33,84.18 arc(137.16,80.94) 136.4,77.11 136.4,69.67 arc(137.16,65.85) 139.33,62.6 144.28,57.65 arc(147.53,55.48) 151.35,54.72 168.26,54.72 arc(171.79,56.18) 173.26,59.72 SW3.1 ; v1(153.78,105.14) 153.83,105.18 arc(154.09,105.23) 154.31,105.38 161.54,112.61 arc(162.55,113.29) 163.74,113.53 U3.3
  Top w1: SW3.1 175.18,69.75 arc(177.3,70.63) 178.18,72.75 178.18,74.37 arc(177.3,76.49) 175.18,77.37 SW2.2
  Bottom w0.2: v1(160.6,105.14) 153.78,105.14 v1(153.78,105.14)
SWCLK: length 24.1
  Top w0.2: v1(179.21,97.2) 179.01,96.99 arc(178.03,96.34) 176.89,96.11 175.92,96.11 arc(175.09,96.28) 174.39,96.75 arc(174.01,97.3) 173.88,97.96 173.88,104.09 arc(173.76,104.69) 173.42,105.2 172.7,105.92 arc(172.51,106.05) 172.28,106.1 171.96,106.1 arc(171.39,106.21) 170.9,106.54 170.84,106.6 arc(170.55,107.03) 170.45,107.53 U3.24 ; J2.4 179.18,100.5 v1(179.21,100.53)
  Bottom w0.2: v1(179.21,97.2) 179.21,97.2 v1(179.21,100.53)
SWD: length 24.2
  Top w0.2: U3.25 170.85,107.53 arc(170.92,107.18) 171.12,106.88 171.15,106.85 arc(171.54,106.59) 172,106.5 172.29,106.5 arc(172.66,106.42) 172.97,106.21 173.78,105.4 arc(174.15,104.85) 174.28,104.2 174.28,97.83 arc(174.36,97.45) 174.58,97.12 174.59,97.11 arc(175.25,96.67) 176.04,96.51 176.78,96.51 arc(177.61,96.67) 178.31,97.14 179,97.83 arc(179.6,98.73) 179.81,99.79 179.81,100.5 arc(179.73,100.88) 179.52,101.2 179.37,101.35 arc(179.05,101.56) 178.67,101.64 177.33,101.64
UP: length 194.3
  Top w0.2: SW27.1 333.41,81.57 arc(331.95,78.03) 328.41,76.57 211.32,76.57 arc(207.49,77.33) 204.25,79.5 178.83,104.91 arc(178.51,105.13) 178.13,105.21 arc(177.3,105.37) 176.59,105.84 175.55,106.89 arc(174.65,107.49) 173.6,107.7 173.47,107.7 arc(172.7,107.85) 172.06,108.28 U3.28
  Top w1: SW27.1 335.33,83.11 arc(337.45,83.99) 338.33,86.11 338.33,87.73 arc(337.45,89.85) 335.33,90.73 SW26.2
X: length 154.4
  Top w0.2: U3.32 173.54,110.33 arc(174.31,110.17) 174.96,109.74 177.6,107.1 arc(177.92,106.88) 178.3,106.81 178.49,106.81 arc(179.15,106.68) 179.71,106.3 204.91,81.1 arc(208.16,78.93) 211.98,78.17 268.83,78.17 arc(275.9,81.1) 278.83,88.17 278.83,102.12
  Top w1: SW22.2 280.75,109.74 arc(282.87,108.86) 283.75,106.74 283.75,105.12 arc(282.87,103) 280.75,102.12 278.83,102.12
XTAL_IN: length 12.8
  Top w0.2: C7.2 165.96,99.83 ; 165.98,99.73 165.27,100.45 arc(164.88,101.02) 164.75,101.69 164.75,102.16 arc(164.88,102.81) 165.25,103.36 168.56,106.67 arc(168.77,107) 168.85,107.38 U3.20
XTAL_OUT: length 4
  Top w0.2: R11.2 168.31,104.84 arc(168.33,104.95) 168.39,105.05 168.96,105.61 arc(169.17,105.94) 169.25,106.32 U3.21
Y: length 172.3
  Top w0.2: U3.34 174.49,111.12 arc(175.38,110.95) 176.13,110.45 205.08,81.5 arc(208.32,79.33) 212.15,78.57 253.76,78.57 arc(260.83,81.5) 263.76,88.57 263.76,107 arc(264.52,110.82) 266.69,114.07 276.34,123.72 arc(278.19,126.48) SW15.1
  Top w1: SW14.2 280.75,137.35 arc(282.87,136.47) 283.75,134.35 283.75,132.73 arc(282.87,130.61) 280.75,129.73 SW15.1
Z: length 180.6
  Top w0.2: U3.30 173.26,109.53 arc(173.98,109.38) 174.59,108.97 176.92,106.64 arc(177.63,106.17) 178.46,106.01 arc(178.84,105.93) 179.16,105.71 204.58,80.3 arc(207.82,78.13) 211.65,77.37 297.19,77.37 arc(304.26,80.3) 307.19,87.37 SW25.1
  Top w1: SW25.1 309.11,99.15 arc(311.23,100.02) 312.11,102.15 312.11,103.77 arc(311.23,105.89) 309.11,106.77 SW24.2
~{RESET}: length 10.8
  Top w0.2: U3.26 171.25,107.56 arc(171.3,107.33) 171.43,107.14 171.49,107.07 arc(171.69,106.94) 171.92,106.9 172.02,106.9 arc(172.84,106.73) 173.53,106.27 174.21,105.59 arc(174.56,105.07) 174.68,104.44 174.68,101.19 arc(174.73,100.96) 174.86,100.76 174.95,100.68 arc(175.14,100.55) 175.37,100.5 J2.3
Net-(D1-A): length 2.6
  Top w0.5: D1.2 177.29,125.89 177.29,126.01 arc(176.93,126.54) 176.32,126.75 U1.2
Net-(D3-A): length 1.2
  Top w0.2: R4.2 180.88,113.11 D3.2
Net-(F1-Pad1): length 12.6
  Top w0.2: J1.A4 170.7,133.45 arc(170.85,132.67) 171.3,132 v1(171.39,131.91) 171.83,131.47 arc(172.15,131.26) 172.53,131.18 173.42,131.18 ; J1.A9 168.2,133.14 arc(168.09,132.61) 167.79,132.16 v1(167.54,131.91)
  Top w0.25: J1.A4 170.7,134.86 J1.B9 ; J1.A9 168.2,134.86 J1.B4
  Bottom w0.2: v1(167.54,131.91) v1(171.39,131.91)
Net-(J1-CC1): length 10
  Top w0.2: R3.1 v1(175.62,133.12) ; J1.A5 170.2,133.18 arc(170.21,133.1) 170.26,133.04 170.3,132.99 arc(170.34,132.95) 170.36,132.9 170.36,132.9 arc(170.4,132.66) 170.42,132.41 170.42,132.26 arc(170.5,131.88) 170.71,131.56 171.47,130.8
  Bottom w0.2: v1(171.48,130.81) 173.89,130.81 arc(175.11,131.32) 175.62,132.54 v1(175.62,133.12)
Net-(J1-CC2): length 15.7
  Top w0.2: R2.2 164.07,131.39 arc(163.36,131.68) 163.07,132.39 163.07,138.21 arc(163.23,138.58) 163.6,138.74 164.3,138.74 arc(164.53,138.64) 164.63,138.41 arc(164.69,138.11) 164.86,137.85 165.19,137.52 arc(165.45,137.35) 165.75,137.29 165.89,137.29 arc(166.19,137.23) 166.45,137.06 166.83,136.68 arc(167.09,136.51) 167.39,136.45 168.25,136.45 arc(168.53,136.33) 168.65,136.05 J1.B5
Net-(J1-SHIELD): length 23.5
  Top w0.5: J1.S1 J1.S1 ; J1.S1 R1.2 ; J1.S1 173.5,139.47 J1.S1
  Bottom w0.5: J1.S1 163.77,139.9 arc(163.06,139.61) 162.77,138.9 162.77,136.51 arc(163.06,135.8) 163.77,135.51 J1.S1
unconnected-(U3-GPIO25-Pad37): length 0.3
  Top w0.2: U3.37 173.22,112.33
unconnected-(U3-GPIO26/ADC0-Pad38): length 0.4
  Top w0.2: U3.38 173.26,112.72

## Copper pours and planes (outline as drawn; the poured copper is in the pictures)
+1V1 on Top: 171.44,113.56 167.84,113.56 167.84,110.16 170.44,110.16 170.44,109.36 169.64,109.36 169.64,109.56 167.24,109.56 167.24,113.96 170.04,113.96 170.04,114.16 170.44,114.16 170.44,114.56 171.44,114.56
+3V3 on Top: 175.87,117.82 175.9,114.15 172.22,114.15 172.24,108.96 166.64,108.96 166.64,114.56 169.44,114.56 170.11,114.68 172.98,117.84
GND on Top, Bottom: 345.14,-14.52 -3.93,-14.52 -3.93,146.88 345.14,146.88

## Text on the board
F.Fab: 100nF | RP2040
